# Altium PCB PCB,SafetySystem.PcbDoc (part 1 of 2)
Units mm, origin at the board's own origin, x right, y up, seen from the top; angles counter-clockwise.
Board outline 86.61 x 56.9 mm, 2 copper layers (Top Layer, Bottom Layer); 88 components, 88 nets, 378 pads, 31 vias.
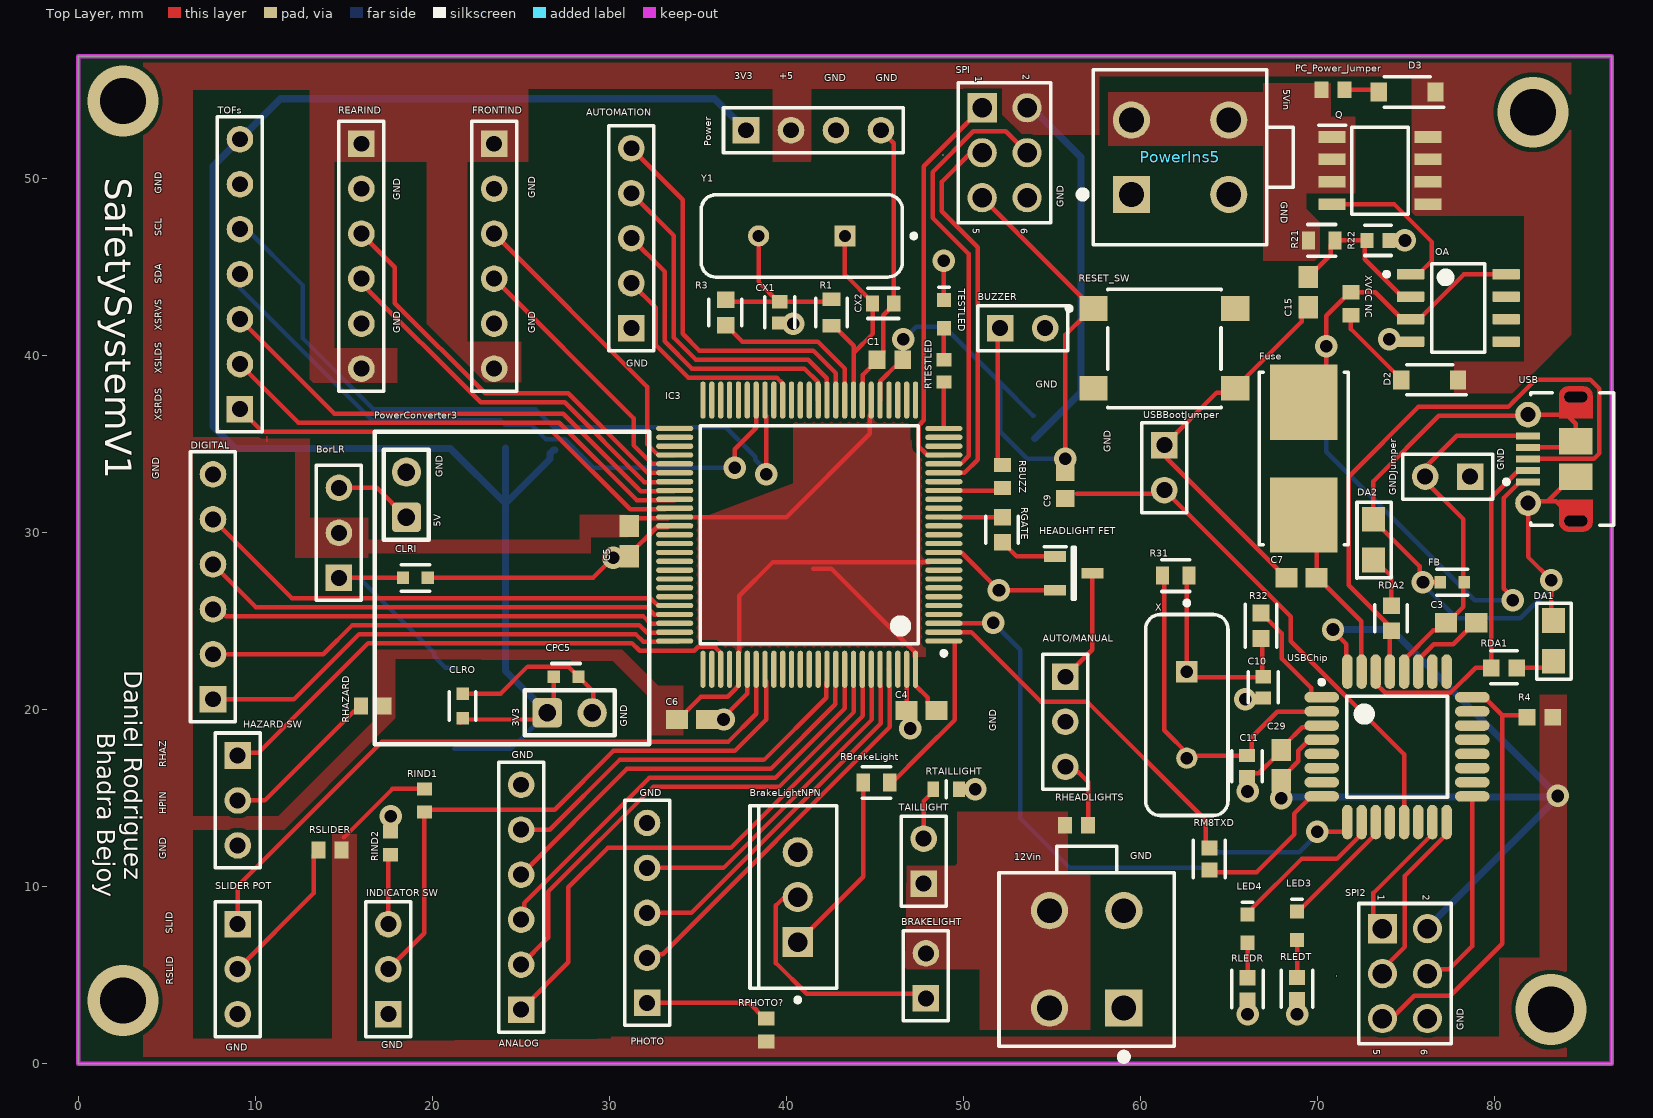
[diagram p0: Top Layer view]
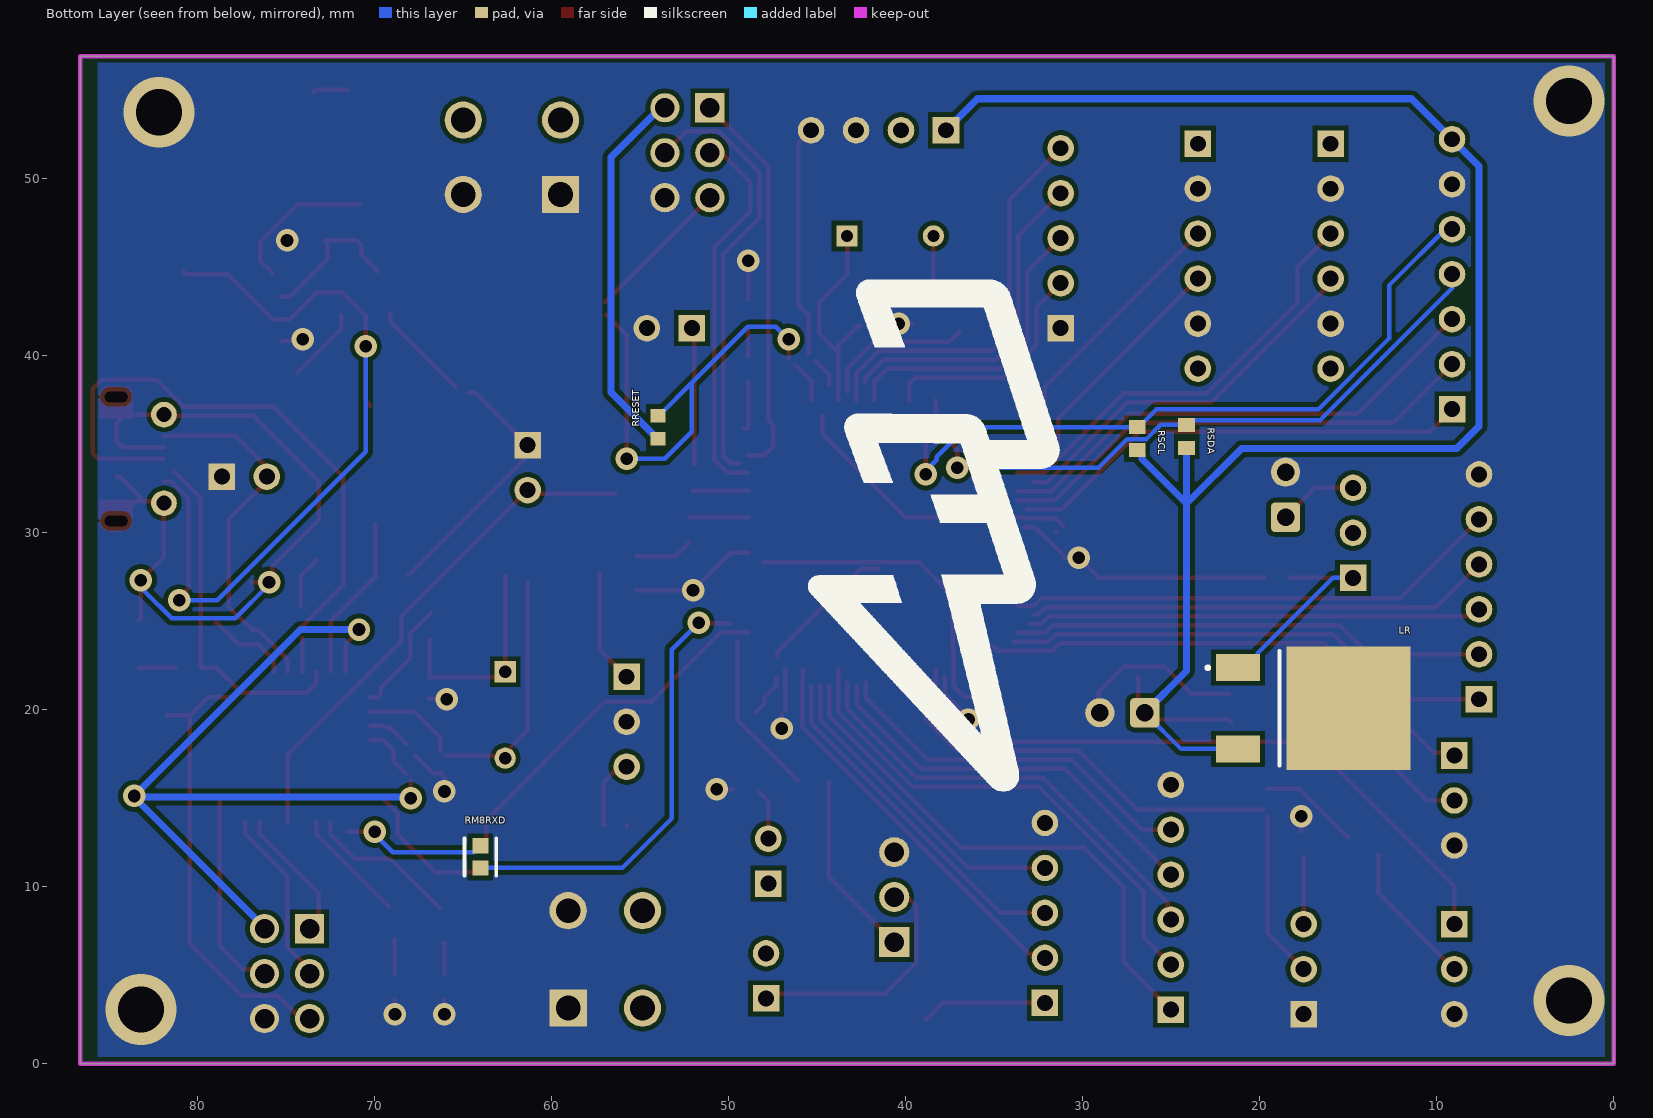
[diagram p1: Bottom Layer view, seen from below]
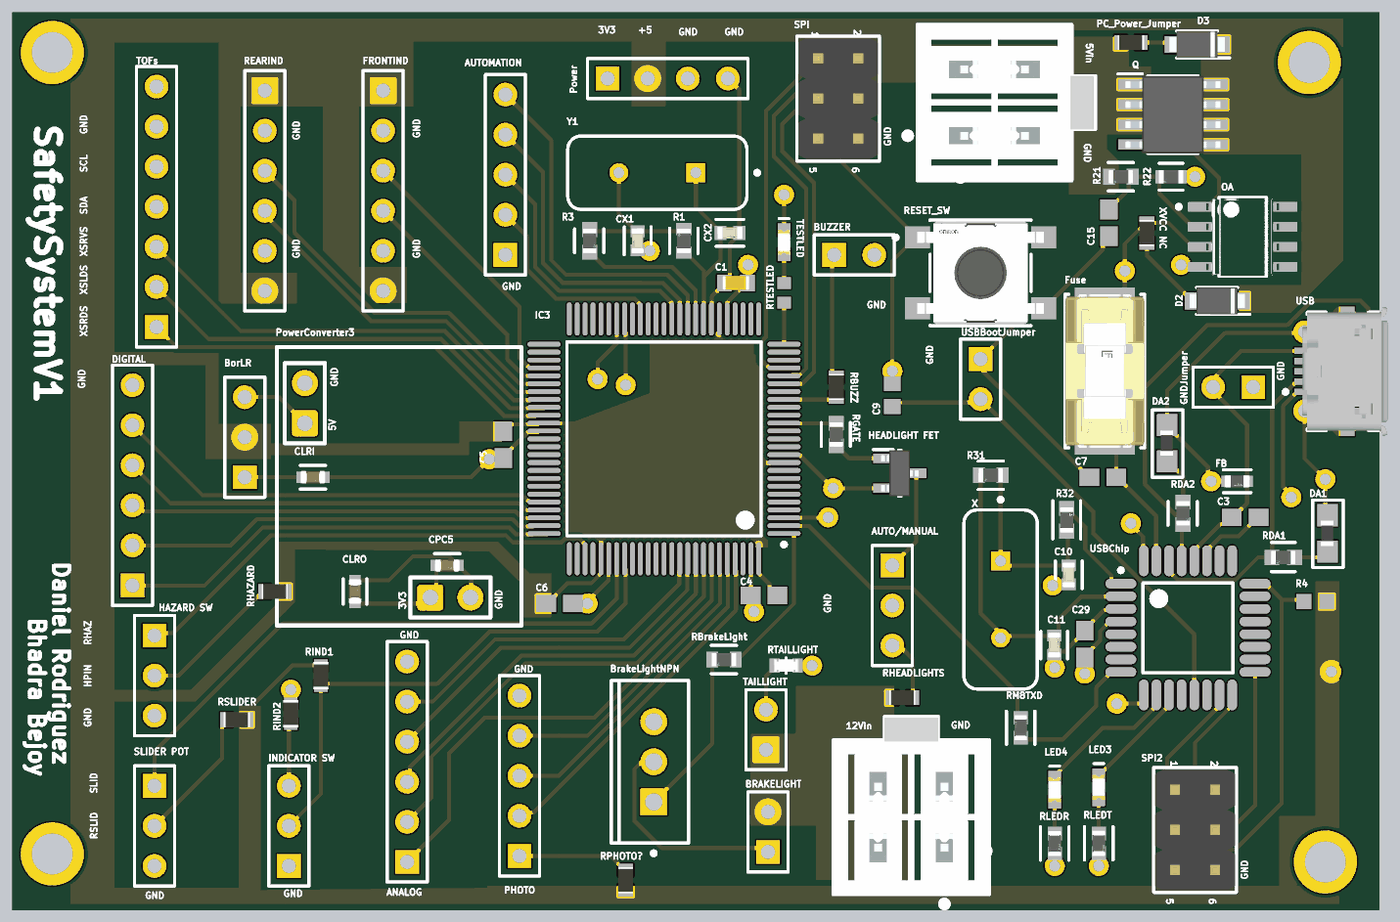
[diagram p3: 3D render of the assembled board from above, using the file's embedded part models]
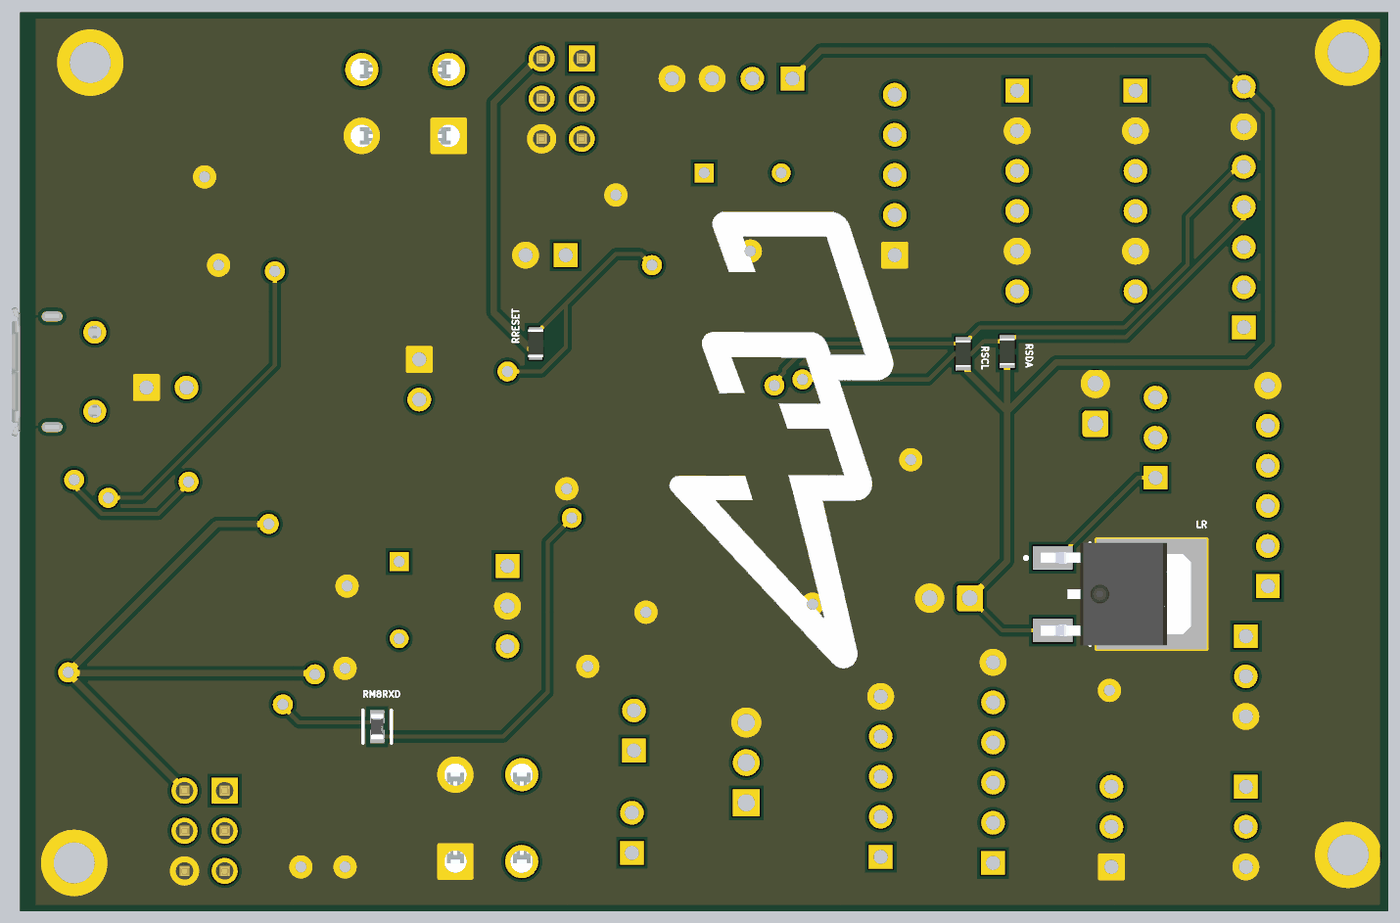
[diagram p4: 3D render of the assembled board from below, using the file's embedded part models]

## Layer stack, top to bottom
Top Solder: solder mask 0.0102, Solder Resist, Dk 3.5
Top Layer: signal copper 0.0356
Dielectric 1: dielectric 0.32, FR-4, Dk 4.8
Bottom Layer: signal copper 0.0356
Bottom Solder: solder mask 0.0102, Solder Resist, Dk 3.5

## Board outline
0,0 86.614,0 86.614,56.896 0,56.896

## Design rules (kind name [scope] priority, off if disabled: settings)
Clearance [All] p1: gap=0.254 ignorepadtopadclearanceinfootprint=TRUE except(0: Arc-Hole Track-Hole SMDPad-Hole THPad-Hole Via-Hole Fill-Hole Poly-Hole Region-Hole Text-Hole; 0.1: Arc-SMDPad Track-SMDPad)
PolygonConnect [All] p1: connectstyle=Direct reliefconductorwidth=0.254 reliefentries=4 polygonreliefangle="90 Angle" airgapwidth=0.254
RoutingVias [All] p1: holewidth=0.711 width=1.27 viastyle="Through Hole" minholewidth=0.711 minwidth=1.27 maxholewidth=0.711 maxwidth=1.27
SolderMaskExpansion [All] p1: expansion=0.102 istentingtop=FALSE
Width [All] p1: maxlimit=0.5 minlimit=0.254 preferedwidth=0.254
30 further rules are at their usual default settings.

## Components (designator, comment, footprint, x,y, rotation, side; value= is the part's Value field where it differs from the comment)
12Vin "64900421122" 64900421122 56.955,5.886 r0 top (schematic designator PowerIns12)
ANALOG "Header 6" HDR1X6 25.019,3.048 r90 top
AUTO/MANUAL "" HDR1X3 55.753,21.844 r270 top
AUTOMATION "Header 5" HDR1X5 31.242,41.529 r90 top
BorLR "Header 3" HDR1X3 14.732,27.432 r90 top
BRAKELIGHT "Header 2" HDR1X2 47.879,3.683 r90 top
BrakeLightNPN "TIP120" ONSC-TO-220-3-221A-09 40.64,9.398 r180 top
BUZZER "Header 2" HDR1X2 52.07,41.529 r0 top
C1 "GRM1885C1H220JA01D" CAPC1608X90X35ML10T15 45.847,39.751 r180 top
C3 "" CAPC1608X90X35ML15T15 78.105,24.892 r0 top
C4 "06035C104K4T2A" CAPC1608X90X35ML15T15 47.625,19.939 r0 top
C5 "06035C104K4T2A" CAPC1608X90X35ML15T15 31.115,29.503 r90 top
C6 "06035C104K4T2A" CAPC1608X90X35ML15T15 34.671,19.431 r180 top
C7 "06035C104K4T2A" CAPC1608X90X35ML15T15 69.088,27.432 r0 top
C9 "CL10B104KB8NNNC" SAMS-C0603-2_M 55.753,32.639 r90 top
C10 "C0603C220J5GACTU" FP-C0603C-CF-MFG 66.929,21.244 r90 top value="22 pF"
C11 "C0603C220J5GACTU" FP-C0603C-CF-MFG 66.009,16.8 r270 top value="22 pF"
C15 "06035C104K4T2A" CAPC1608X90X35ML15T15 69.469,43.561 r90 top
C29 "06035C104K4T2A" CAPC1608X90X35ML15T15 67.945,16.852 r90 top
CLRI "C1608X5R1A106K080AC" FP-C1608-080-MFG 19.05,27.432 r0 top value=10uF
CLRO "C1608X5R1A106K080AC" FP-C1608-080-MFG 21.717,20.193 r90 top value=10uF
CPC5 "C1608X5R1A106K080AC" FP-C1608-080-MFG 27.559,21.844 r0 top value=10uF
CX1 "C0603C220J5GACTU" FP-C0603C-CF-MFG 39.624,42.418 r90 top value="22 pF"
CX2 "C0603C220J5GACTU" FP-C0603C-CF-MFG 45.466,42.926 r180 top value="22 pF"
D2 "ES1DRX" SODFL3517X110N 76.327,38.608 r180 top
D3 "ES1DRX" SODFL3517X110N 75.057,54.864 r180 top
DA1 "82356050101" 0603 83.312,23.876 r270 top
DA2 "82356050101" 0603 73.152,29.591 r270 top
DIGITAL "Header 6" HDR1X6 7.62,20.574 r90 top
FB "BLM18AG601SN1D" FP-BLM18-0_15-t0_8-MFG 77.597,27.178 r0 top
FRONTIND "Header 6" HDR1X6 23.495,51.943 r270 top
Fuse "0154.500DRT" FP-0154-MFG 69.215,34.163 r270 top
GNDJumper "Header 2" HDR1X2 78.613,33.147 r180 top
"HAZARD SW" "" HDR1X3 9.017,17.399 r270 top
"HEADLIGHT FET" "ZXMN2B01F" SOT95P237X112-3N 56.227,27.686 r0 top
IC3 "ATmega2560-16AU" 100A_M 41.291,29.865 r180 top locked
"INDICATOR SW" "SLIDER POT" HDR1X3 17.526,2.794 r90 top
LED3 "150060YS75000" 0603_A 68.834,7.785 r270 top
LED4 "150060YS75000" 0603_A 66.04,7.62 r270 top
LR "BA033CC0FP-E2" ROHM_TO-252-3 13.386,20.066 r270 bottom
OA "LM358DR" FP-D0008A-MFG 77.945,42.672 r0 top
PC_Power_Jumper "CRCW06030000Z0EA" RESC1609X50X30NL8T20 70.866,54.991 r0 top
PHOTO "Header 5" HDR1X5 32.131,3.429 r90 top
Power "Header 4" HDR1X4 37.719,52.705 r0 top
PowerConverter3 "3V3_buck_Header" PCBComponent_1 16.637,17.907 r90 top
PowerIns5 "64900421122" 64900421122 62.23,51.181 r270 top
Q "SI4485DY-T1-GE3" SOIC127P600X175-8N 73.528,50.419 r0 top
R1 "CRCW06031M00FKEA" FP-CRCW0603-e3-MFG 42.545,42.418 r90 top
R3 "CRCW060327R0FKEA" FP-CRCW0603-e3-IPC_B 36.576,42.418 r270 top
R4 "TNPW060310K0BEEA" RESC1609X55X30NL10T20 82.55,19.558 r0 top
R21 "1k" FP-CRCW0603-e3-MFG 70.231,46.482 r180 top
R22 "20k" FP-CRCW0603-e3-IPC_C 73.406,46.482 r180 top
R31 "" FP-CRCW0603-e3-MFG 61.988,27.559 r180 top
R32 "" FP-CRCW0603-HPe3-IPC_B 66.802,24.73 r90 top
RBrakeLight "CRCW06031K00FKEA" FP-CRCW0603-e3-MFG 45.085,15.875 r180 top
RBUZZ "CRCW06030000Z0EA" RESC1609X50X30NL8T20 52.197,33.147 r90 top
RDA1 "CRCW060322R0FKEA" FP-CRCW0603-e3-IPC_B 80.518,22.352 r180 top
RDA2 "CRCW060322R0FKEA" FP-CRCW0603-e3-IPC_B 74.168,25.146 r270 top
REARIND "Header 6" HDR1X6 16.002,51.943 r270 top
RESET_SW "B3FS-1000P" FP-B3FS-1000P-MFG 61.341,40.386 r0 top
RGATE "CRCW060327R0FKEA" FP-CRCW0603-e3-IPC_B 52.197,30.146 r270 top
RHAZARD "CRCW06030000Z0EA" RESC1609X50X30NL8T20 16.637,20.193 r180 top
RHEADLIGHTS "CRCW06030000Z0EA" RESC1609X50X30NL8T20 56.388,13.462 r180 top
RIND1 "ERJ3EKF1002V" RESC1609X55X30LL15T15 19.558,14.859 r270 top
RIND2 "ERJ3EKF1002V" RESC1609X55X30LL15T15 17.653,12.446 r90 top
RLEDR "ERA-3AEB102V" FP-ERA3A-IPC_C 66.04,4.22 r270 top
RLEDT "ERA-3AEB102V" FP-ERA3A-IPC_C 68.834,4.229 r270 top
RM8RXD "ERA-3AEB102V" FP-ERA3A-IPC_C 64.008,11.675 r270 bottom
RM8TXD "ERA-3AEB102V" FP-ERA3A-IPC_C 63.881,11.557 r90 top
RPHOTO? "10kohm" RESC1609X50X30NL8T20 38.862,1.89 r90 top
RRESET "ERJ3EKF1002V" RESC1609X55X30LL15T15 53.975,35.941 r270 bottom
RSCL "10kohm" RESC1609X50X30NL8T20 26.924,35.291 r90 bottom
RSDA "CRCW06030000Z0EA" RESC1609X50X30NL8T20 24.13,35.418 r90 bottom
RSLIDER "CRCW06030000Z0EA" RESC1609X50X30NL8T20 14.224,12.065 r180 top
RTAILLIGHT "ERJ-3EKF10R0V" FP-ERJ3EK-MFG 49.022,15.494 r0 top value=10Ω
RTESTLED "TNPW06031K00BEEA" RESC1609X55X30LL10T20 48.895,39.116 r270 top
"SLIDER POT" "SLIDER POT" HDR1X3 9.017,7.874 r270 top
SPI "61300621121" 61300621121 52.324,51.435 r270 top
SPI2 "61300621121" 61300621121 74.93,5.08 r270 top
TAILLIGHT "Header 2" HDR1X2 47.752,10.16 r90 top
TESTLED "BlinkTestLED" 0603_A 48.895,42.329 r270 top
TOFs "Header 7" HDR1X7 9.144,36.957 r90 top
USB "105017-0001" USB-MICRO-B_V 83.232,34.147 r90 top
USBBootJumper "Header 2" HDR1X2 61.341,34.925 r270 top
USBChip "ATmega8U2-AU" 32A_M 74.481,17.888 r0 top
X "FOXSLF/160-20" FOX-FOXSLF160-20 62.611,19.685 r270 top
"XVCC NC" "CRCW06030000Z0EA" RESC1609X50X30NL8T20 71.882,42.911 r270 top
Y1 "FOXSLF/160-20" FOX-FOXSLF160-20 40.867,46.736 r180 top

## Footprints (in the part's own frame and the unit in brackets; to place one, negate y for a bottom-side part, rotate by r counter-clockwise, add the part's x,y. Pads: shape width x height; smd on the part's side, far side on the other; paste and mask are expansions set on the pad)
32A_M [mm] "Thin QFP, 32-Leads, Body 7x7mm, Pitch 0.8mm, IPC Low Density"
  oval 1.95x0.6 smd: 1(-4.25,2.8) 2(-4.25,2) 3(-4.25,1.2) 4(-4.25,0.4) 5(-4.25,-0.4) 6(-4.25,-1.2) 7(-4.25,-2) 8(-4.25,-2.8) 17(4.25,-2.8) 18(4.25,-2) 19(4.25,-1.2) 20(4.25,-0.4) 21(4.25,0.4) 22(4.25,1.2) 23(4.25,2) 24(4.25,2.8)
  oval 0.6x1.95 smd: 9(-2.8,-4.25) 10(-2,-4.25) 11(-1.2,-4.25) 12(-0.4,-4.25) 13(0.4,-4.25) 14(1.2,-4.25) 15(2,-4.25) 16(2.8,-4.25) 25(2.8,4.25) 26(2,4.25) 27(1.2,4.25) 28(0.4,4.25) 29(-0.4,4.25) 30(-1.2,4.25) 31(-2,4.25) 32(-2.8,4.25)
  silkscreen extent -4.37,-2.85 2.85,3.77, body extent -3.5,-3.5 3.5,3.5, height 1.2
100A_M [mm] "Thin QFP, 100-Leads, Body 14x14mm, Pitch 0.5mm, IPC Low Density"
  oval 2.1x0.3 smd: 1(-7.6,6) 2(-7.6,5.5) 3(-7.6,5) 4(-7.6,4.5) 5(-7.6,4) 6(-7.6,3.5) 7(-7.6,3) 8(-7.6,2.5) 9(-7.6,2) 10(-7.6,1.5) 11(-7.6,1) 12(-7.6,0.5) 13(-7.6,0) 14(-7.6,-0.5) 15(-7.6,-1) 16(-7.6,-1.5) 17(-7.6,-2) 18(-7.6,-2.5) 19(-7.6,-3) 20(-7.6,-3.5) 21(-7.6,-4) 22(-7.6,-4.5) 23(-7.6,-5) 24(-7.6,-5.5) 25(-7.6,-6) 51(7.6,-6) 52(7.6,-5.5) 53(7.6,-5) 54(7.6,-4.5) 55(7.6,-4) 56(7.6,-3.5) 57(7.6,-3) 58(7.6,-2.5) 59(7.6,-2) 60(7.6,-1.5) 61(7.6,-1) 62(7.6,-0.5) 63(7.6,0) 64(7.6,0.5) 65(7.6,1) 66(7.6,1.5) 67(7.6,2) 68(7.6,2.5) 69(7.6,3) 70(7.6,3.5) 71(7.6,4) 72(7.6,4.5) 73(7.6,5) 74(7.6,5.5) 75(7.6,6)
  oval 0.3x2.1 smd: 26(-6,-7.6) 27(-5.5,-7.6) 28(-5,-7.6) 29(-4.5,-7.6) 30(-4,-7.6) 31(-3.5,-7.6) 32(-3,-7.6) 33(-2.5,-7.6) 34(-2,-7.6) 35(-1.5,-7.6) 36(-1,-7.6) 37(-0.5,-7.6) 38(0,-7.6) 39(0.5,-7.6) 40(1,-7.6) 41(1.5,-7.6) 42(2,-7.6) 43(2.5,-7.6) 44(3,-7.6) 45(3.5,-7.6) 46(4,-7.6) 47(4.5,-7.6) 48(5,-7.6) 49(5.5,-7.6) 50(6,-7.6) 76(6,7.6) 77(5.5,7.6) 78(5,7.6) 79(4.5,7.6) 80(4,7.6) 81(3.5,7.6) 82(3,7.6) 83(2.5,7.6) 84(2,7.6) 85(1.5,7.6) 86(1,7.6) 87(0.5,7.6) 88(0,7.6) 89(-0.5,7.6) 90(-1,7.6) 91(-1.5,7.6) 92(-2,7.6) 93(-2.5,7.6) 94(-3,7.6) 95(-3.5,7.6) 96(-4,7.6) 97(-4.5,7.6) 98(-5,7.6) 99(-5.5,7.6) 100(-6,7.6)
  silkscreen extent -7.73,-6.15 6.15,6.82, body extent -7,-7 7,7, height 1.6
0603 [mm] "0603, 2-Leads, Body 3.6x1.4mm, Pitch 2.3mm"
  rect 1.4x1.3 smd: 1(-1.15,0) 2(1.15,0)
  silkscreen extent -2.11,-0.93 2.17,1.01, body extent -0.8,-0.41 0.8,0.39, height 0.85
0603_A [mm] "Chip LED, 2-Leads, Body 1.6x0.8mm, IPC Medium Density"
  rect 0.8x0.8 smd: 1(-0.8,0) 2(0.8,0)
  silkscreen extent -1.5,-0.3 -1.5,0.3, body extent -0.8,-0.4 0.8,0.4, height 0.7
61300621121 [mm] "Pin Header, pitch 2.54 mm, THT, Vertical, dual row, 6p"
  rect 1.65x1.65 hole 1.1: 1(-2.54,-1.27)
  round 1.65 hole 1.1: 2(-2.54,1.27) 3(0,-1.27) 4(0,1.27) 5(2.54,-1.27) 6(2.54,1.27)
  silkscreen extent -3.96,-2.62 3.96,2.62, body extent -3.81,-2.54 3.81,2.54, height 8.59
64900421122 [mm] "4.20mm Male Dual Row Vertical Header, 4p"
  rect 2.1x2.1 hole 1.4: 1(2.1,-2.75)
  round 2.1 hole 1.4: 2(-2.1,-2.75) 3(2.1,2.75) 4(-2.1,2.75)
  silkscreen extent -4.95,-5.7 4.95,6.4, body extent -4.85,-4.8 5.15,6.3, height 12.82
CAPC1608X90X35ML10T15 [mm] "Chip Capacitor, 2-Leads, Body 1.7x0.9mm, IPC Low Density"
  rect 0.95x1.05 smd: 1(-0.725,0) 2(0.725,0)
  body extent -0.85,-0.45 0.85,0.45, height 0.9
CAPC1608X90X35ML15T15 [mm] "Chip Capacitor, 2-Leads, Body 1.60x0.81mm, IPC Low Density"
  rect 1.25x1.1 smd: 1(-0.85,0) 2(0.85,0)
  body extent -0.88,-0.48 0.87,0.48, height 0.9
FOX-FOXSLF160-20 [mm] "THD, 2-Leads, Body 11.35x4.65mm"
  rect 1.2x1.2 hole 0.7: 1(-2.44,0)
  round 1.2 hole 0.7: 2(2.44,0)
  silkscreen extent -6.45,-2.32 5.68,2.32, body extent -5.67,-2.32 5.68,2.33, height 3.6
FP-0154-MFG [mm]
  rect 4.24x3.81 smd paste+0 mask+0: 1(-3.185,0) 2(3.185,0)
  silkscreen extent -4.86,-2.51 4.86,2.51, body extent -4.86,-2.51 4.86,2.51, height 3.81
FP-B3FS-1000P-MFG [mm]
  rect 1.6x1.4 smd paste+0 mask+0: 1(-4,2.25) 2(4,2.25) 3(-4,-2.25) 4(4,-2.25)
  silkscreen extent -5.5,-3.35 3.2,3.35, body extent -4.9,-3.45 4.9,3.45, height 0.25
FP-BLM18-0_15-t0_8-MFG [mm]
  rect 0.65x0.7 smd paste+0 mask+0: 1(-0.675,0) 2(0.675,0)
  silkscreen extent -0.87,-0.72 0.87,0.72, body extent -1.1,-0.58 1.1,0.58, height 0.25
FP-C0603C-CF-MFG [mm]
  rect 0.75x0.9 smd paste+0 mask+0: 1(-0.6,0) 2(0.6,0)
  silkscreen extent -0.87,-0.85 0.88,0.85, body extent -0.8,-0.4 0.8,0.4, height 0.87
FP-C1608-080-MFG [mm]
  rect 0.7x0.7 smd paste+0 mask+0: 1(-0.7,0) 2(0.7,0)
  silkscreen extent -0.8,-0.75 0.8,0.75, body extent -1.15,-0.55 1.15,0.55, height 0.25
FP-CRCW0603-e3-IPC_B [mm]
  rect 0.935x0.962 smd paste+0 mask+0: 1(-0.715,0) 2(0.715,0)
  silkscreen extent -0.75,-0.95 0.75,0.9, body extent -0.77,-0.43 0.77,0.43, height 0.5
FP-CRCW0603-e3-IPC_C [mm]
  rect 0.735x0.862 smd paste+0 mask+0: 1(-0.615,0) 2(0.615,0)
  silkscreen extent -0.75,-0.85 0.75,0.85, body extent -0.77,-0.43 0.77,0.43, height 0.5
FP-CRCW0603-e3-MFG [mm]
  rect 0.75x1 smd paste+0 mask+0: 1(-0.75,0) 2(0.75,0)
  silkscreen extent -0.8,-0.9 0.8,0.9, body extent -0.77,-0.43 0.77,0.43, height 0.5
FP-CRCW0603-HPe3-IPC_B [mm]
  rect 0.958x0.962 smd paste+0 mask+0: 1(-0.727,0) 2(0.727,0)
  silkscreen extent -1.21,-0.88 1.21,0.88, body extent -0.8,-0.43 0.8,0.43, height 0.55
FP-D0008A-MFG [mm]
  rrect17% 1.55x0.6 smd paste+0 mask+0: 1(-2.7,1.905) 2(-2.7,0.635) 3(-2.7,-0.635) 4(-2.7,-1.905) 5(2.7,-1.905) 6(2.7,-0.635) 7(2.7,0.635) 8(2.7,1.905)
  silkscreen extent -4.17,-2.5 1.5,2.5, body extent -3.57,-2.75 3.57,2.75, height 0.25
FP-ERA3A-IPC_C [mm]
  rect 0.855x0.906 smd paste+0 mask+0: 1(-0.626,0) 2(0.626,0)
  silkscreen extent -1.05,-0.9 1.05,0.9, body extent -0.8,-0.4 0.8,0.4, height 0.55
FP-ERJ3EK-MFG [mm]
  rect 0.65x0.9 smd paste+0 mask+0: 1(-0.725,0) 2(0.725,0)
  silkscreen extent 0,-0.48 0,0.48, body extent -1.15,-0.58 1.15,0.58, height 0.25
HDR1X2 [mm] "Connector; Header; 2 Position"
  rect 1.5x1.5 hole 0.9: 1(0,0)
  round 1.5 hole 0.9: 2(2.54,0)
  silkscreen extent -1.27,-1.27 3.81,1.27
HDR1X3 [mm] "Connector; Header; 3 Position"
  rect 1.5x1.5 hole 0.9: 1(0,0)
  round 1.5 hole 0.9: 2(2.54,0) 3(5.08,0)
  silkscreen extent -1.27,-1.27 6.35,1.27
HDR1X4 [mm] "Connector; Header; 4 Position"
  rect 1.5x1.5 hole 0.9: 1(0,0)
  round 1.5 hole 0.9: 2(2.54,0) 3(5.08,0) 4(7.62,0)
  silkscreen extent -1.27,-1.27 8.89,1.27
HDR1X5 [mm] "Connector; Header; 5 Position"
  rect 1.5x1.5 hole 0.9: 1(0,0)
  round 1.5 hole 0.9: 2(2.54,0) 3(5.08,0) 4(7.62,0) 5(10.16,0)
  silkscreen extent -1.27,-1.27 11.43,1.27
HDR1X6 [mm] "Connector; Header; 6 Position"
  rect 1.5x1.5 hole 0.9: 1(0,0)
  round 1.5 hole 0.9: 2(2.54,0) 3(5.08,0) 4(7.62,0) 5(10.16,0) 6(12.7,0)
  silkscreen extent -1.27,-1.27 13.97,1.27
HDR1X7 [mm] "Connector; Header; 7 Position"
  rect 1.5x1.5 hole 0.9: 1(0,0)
  round 1.5 hole 0.9: 2(2.54,0) 3(5.08,0) 4(7.62,0) 5(10.16,0) 6(12.7,0) 7(15.24,0)
  silkscreen extent -1.27,-1.27 16.51,1.27
ONSC-TO-220-3-221A-09 [mm] "FM, 3-Leads, Body 10.3x4.85mm, Pitch 2.54mm"
  rect 1.7x1.7 hole 1.1: 1(0,2.54)
  round 1.7 hole 1.1: 2(0,0) 3(0,-2.54)
  silkscreen extent -2.2,-5.15 2.7,5.92, body extent -2.18,-5.15 2.67,5.15, height 19.85
PCBComponent_1 [mil]
  rrect25% 65x65 hole 39.37: 1(509.61,-75) 3(75,-387.99)
  round 65 hole 39.37: 2(610,-75) 4(75,-487.99)
  silkscreen extent 5,-615 700,-5
RESC1609X50X30NL8T20 [mm] "Chip Resistor, 2-Leads, Body 1.65x0.95mm, IPC Medium Density"